# Altium PCB isg_eos_control_board_xem3001.PcbDoc (part 1 of 2) (continued)
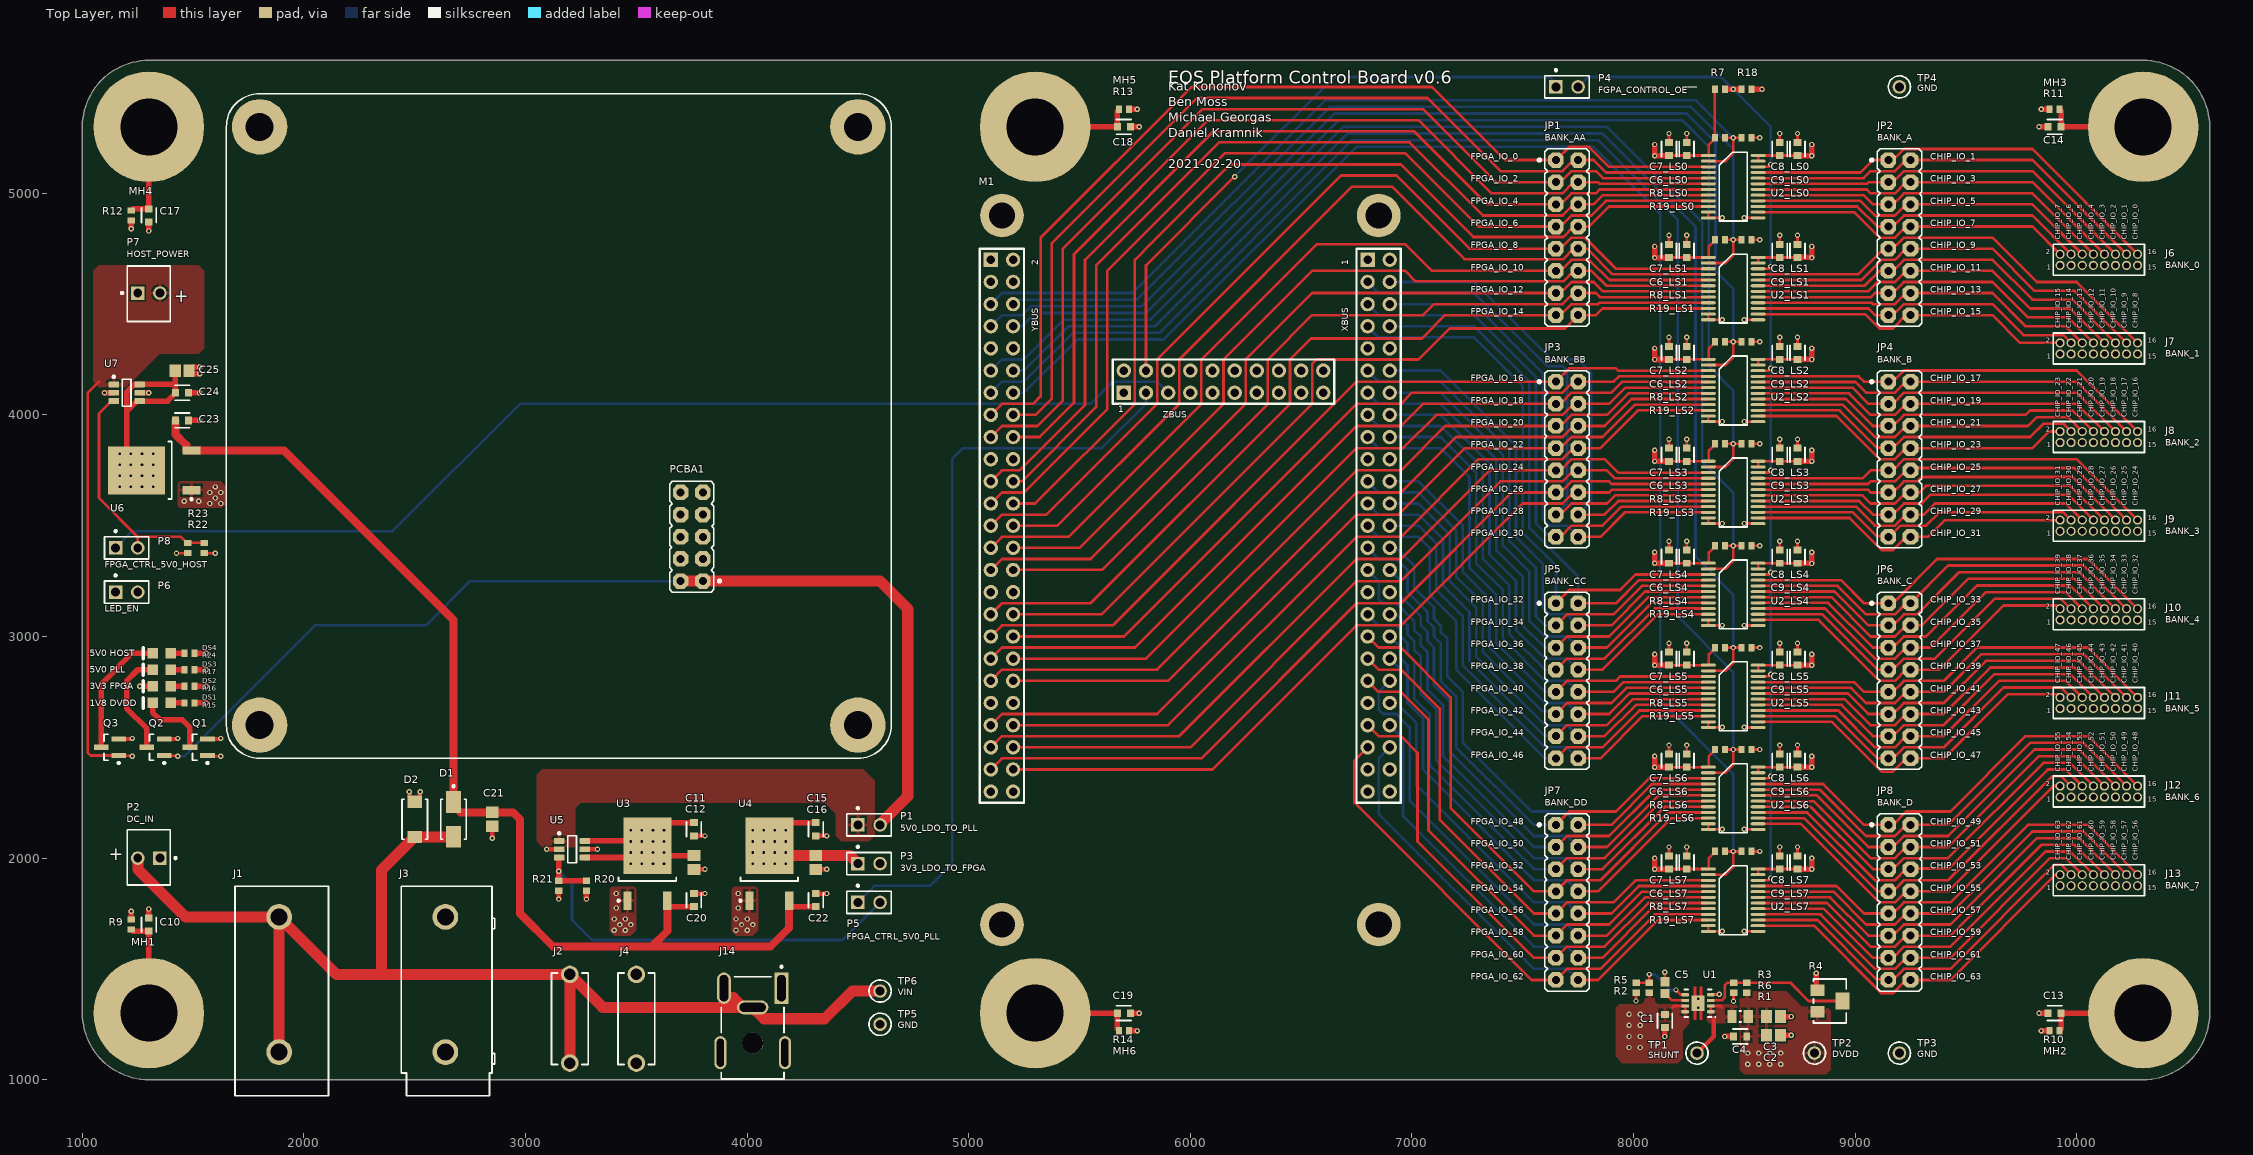
[diagram p0: Top Layer view]
## Components (designator, comment, footprint, x,y, rotation, side; value= is the part's Value field where it differs from the comment) (continued)
P6 "TSW-102-07-S-S" SMTC-TSW-102-07-S-S 1200,3200 r0 top
P7 "22-23-2021" MOLX-22-23-2021_V 1300,4550 r0 top
P8 "TSW-102-07-S-S" SMTC-TSW-102-07-S-S 1200,3400 r0 top
PCBA1 "ISG-PLL-PCBA" ISG-PLL-PCBA 3150,3950 r180 top
Q1 "BSH105,215" NXP-SOT23_M 1525,2500 r180 top
Q2 "BSH105,215" NXP-SOT23_M 1330.31,2500 r180 top
Q3 "BSH105,215" NXP-SOT23_M 1125,2500 r180 top
R1 "RES SMD 1 OHM 1% 0805" RESC2013X50X30NL20T20 8481.5,1285 r0 top
R2 "RES SMD 0 OHM 0603" RESC1609X50X30LL10T20 8071.5,1415 r270 top
R3 "DNP" RESC1609X50X30LL10T20 8511.5,1415 r270 top
R4 "3224W-1-103E" FP-3224W-MFG 8886.5,1355 r0 top value=10kO
R5 "DNP" RESC1609X50X30LL10T20 8011.5,1415 r90 top
R6 "DNP" RESC1609X50X30LL10T20 8451.5,1415 r90 top
R7 "DNP" RESC1609X50X30LL10T20 8390,5470 r0 top
R8_LS0 "RES SMD 330 OHM 0603" RESC1609X50X30LL10T20 8510,5250 r0 top (schematic designator R8)
R8_LS1 "RES SMD 330 OHM 0603" RESC1609X50X30LL10T20 8510,4790 r0 top (schematic designator R8)
R8_LS2 "RES SMD 330 OHM 0603" RESC1609X50X30LL10T20 8510,4330 r0 top (schematic designator R8)
R8_LS3 "RES SMD 330 OHM 0603" RESC1609X50X30LL10T20 8510,3870 r0 top (schematic designator R8)
R8_LS4 "RES SMD 330 OHM 0603" RESC1609X50X30LL10T20 8510,3410 r0 top (schematic designator R8)
R8_LS5 "RES SMD 330 OHM 0603" RESC1609X50X30LL10T20 8510,2950 r0 top (schematic designator R8)
R8_LS6 "RES SMD 330 OHM 0603" RESC1609X50X30LL10T20 8510,2490 r0 top (schematic designator R8)
R8_LS7 "RES SMD 330 OHM 0603" RESC1609X50X30LL10T20 8510,2030 r0 top (schematic designator R8)
R9 "DNP" RESC1609X50X30LL10T20 1220,1700 r90 top
R10 "DNP" RESC1609X50X30LL10T20 9900,1220 r180 top
R11 "DNP" RESC1609X50X30LL10T20 9900,5380 r180 top
R12 "DNP" RESC1609X50X30LL10T20 1220,4900 r270 top
R13 "DNP" RESC1609X50X30LL10T20 5700,5380 r0 top
R14 "DNP" RESC1609X50X30LL10T20 5700,1220 r0 top
R15 "RES SMD 100 OHM 0603" RESC1609X50X30LL10T20 1483.66,2700 r0 top
R16 "RES SMD 100 OHM 0603" RESC1609X50X30LL10T20 1483.66,2775 r0 top
R17 "RES SMD 100 OHM 0603" RESC1609X50X30LL10T20 1483.66,2850 r0 top
R18 "RES SMD 100K OHM 0603" RESC1609X50X30LL10T20 8510,5470 r0 top
R19_LS0 "DNP" RESC1609X50X30LL10T20 8390,5250 r0 top (schematic designator R19)
R19_LS1 "DNP" RESC1609X50X30LL10T20 8390,4790 r0 top (schematic designator R19)
R19_LS2 "DNP" RESC1609X50X30LL10T20 8390,4330 r0 top (schematic designator R19)
R19_LS3 "DNP" RESC1609X50X30LL10T20 8390,3870 r0 top (schematic designator R19)
R19_LS4 "DNP" RESC1609X50X30LL10T20 8390,3410 r0 top (schematic designator R19)
R19_LS5 "DNP" RESC1609X50X30LL10T20 8390,2950 r0 top (schematic designator R19)
R19_LS6 "DNP" RESC1609X50X30LL10T20 8390,2490 r0 top (schematic designator R19)
R19_LS7 "DNP" RESC1609X50X30LL10T20 8390,2030 r0 top (schematic designator R19)
R20 "DNP" RESC1609X50X30LL10T20 3275,1875 r90 top
R21 "RES SMD 330 OHM 0603" RESC1609X50X30LL10T20 3150,1875 r270 top
R22 "DNP" RESC1609X50X30LL10T20 1550,3400 r90 top
R23 "RES SMD 330 OHM 0603" RESC1609X50X30LL10T20 1475,3400 r270 top
R24 "RES SMD 100 OHM 0603" RESC1609X50X30LL10T20 1483.66,2925 r0 top
TP1 "5002" KSTN-5002 8286.5,1120 r90 top
TP2 "5002" KSTN-5002 8816.5,1120 r90 top
TP3 "5001" KSTN-5001 9200,1120 r90 top
TP4 "5001" KSTN-5001 9200,5480 r0 top
TP5 "5001" KSTN-5001 4600,1250 r0 top
TP6 "5002" KSTN-5002 4600,1400 r0 top
U1 "TPS7A8001DRBT" DRB0008A_V 8291.02,1345 r180 top
U2_LS0 "SN74AVC8T245PW" PW0024A_N 8450,5030 r0 top (schematic designator U2)
U2_LS1 "SN74AVC8T245PW" PW0024A_N 8450,4570 r0 top (schematic designator U2)
U2_LS2 "SN74AVC8T245PW" PW0024A_N 8450,4110 r0 top (schematic designator U2)
U2_LS3 "SN74AVC8T245PW" PW0024A_N 8450,3650 r0 top (schematic designator U2)
U2_LS4 "SN74AVC8T245PW" PW0024A_N 8450,3190 r0 top (schematic designator U2)
U2_LS5 "SN74AVC8T245PW" PW0024A_N 8450,2730 r0 top (schematic designator U2)
U2_LS6 "SN74AVC8T245PW" PW0024A_N 8450,2270 r0 top (schematic designator U2)
U2_LS7 "SN74AVC8T245PW" PW0024A_N 8450,1810 r0 top (schematic designator U2)
U3 "LD1117DT50CTR" TO-252_N 3550,1975 r90 top
U4 "LD1117DT33TR" TO-252_N 4100,1975 r90 top
U5 "TPS22929DDBVR" DBV0006A_M 3210,2040 r0 top
U6 "LD1117DT50CTR" TO-252_N 1325,3750 r180 top
U7 "TPS22929DDBVR" DBV0006A_M 1200,4100 r0 top

## Footprints (in the part's own frame and the unit in brackets; to place one, negate y for a bottom-side part, rotate by r counter-clockwise, add the part's x,y. Pads: shape width x height; smd on the part's side, far side on the other; paste and mask are expansions set on the pad)
62201621121 [mm] "Pin Header, pitch 1.27 mm, THT, Vertical, dual row, 16p"
  round 1.05 hole 0.7: 1(-4.445,-0.635) 2(-4.445,0.635) 3(-3.175,-0.635) 4(-3.175,0.635) 5(-1.905,-0.635) 6(-1.905,0.635) 7(-0.635,-0.635) 8(-0.635,0.635) 9(0.635,-0.635) 10(0.635,0.635) 11(1.905,-0.635) 12(1.905,0.635) 13(3.175,-0.635) 14(3.175,0.635) 15(4.445,-0.635) 16(4.445,0.635)
  silkscreen extent -5.23,-1.78 5.23,1.78, body extent -5.08,-1.7 5.08,1.7, height 5.33
AVAG-HSMX-C170_V [mm] "SMD, 2-Leads, Body 2x1.25mm, Height 0.8mm"
  rect 1.2x1.2 smd: 1(-1.05,0) 2(1.05,0)
  silkscreen extent 2.15,-0.63 2.15,0.63, body extent -1,-0.63 1,0.63, height 0.8
CAPC1608X90X40ML10T20 [mm] "Chip Capacitor, 2-Leads, Body 1.7x0.9mm, IPC Low Density"
  rect 1.05x1.05 smd: 1(-0.675,0) 2(0.675,0)
  body extent -0.85,-0.45 0.85,0.45, height 0.9
CAPC2013X140X50NL20T25 [mm] "Chip Capacitor, 2-Leads, Body 2.00x1.25mm, IPC Medium Density"
  rect 1.3x1.45 smd: 1(-0.8,0) 2(0.8,0)
  body extent -1.1,-0.72 1.1,0.72, height 1.4
DBV0006A_M [mm] "SOT23, 6-Leads, Body 3.05x1.75mm, Pitch 0.95mm, IPC Low Density"
  rrect15% 1.2x0.65 smd: 1(-1.475,0.95) 2(-1.475,0) 3(-1.475,-0.95) 4(1.475,-0.95) 5(1.475,0) 6(1.475,0.95)
  silkscreen extent -1.6,-1.55 0.5,1.95, body extent -1.42,-1.46 1.42,1.46, height 1.11
DRB0008A_V [mm] "SON, 8-Leads, Body 3x3mm, Pitch 0.65mm, Thermal Pad 1.50 x 3.8mm"
  rrect29% 0.85x0.35 smd: 1(-1.475,0.975) 2(-1.475,0.325) 3(-1.475,-0.325) 4(-1.475,-0.975) 5(1.475,-0.975) 6(1.475,-0.325) 7(1.475,0.325) 8(1.475,0.975)
  rrect7% 1.5x1.75 smd: 9(0,0)
  Top Layer region: -0.185,0.875 -0.185,1.9 -0.465,1.9 -0.465,0.875
  Top Layer region: 0.185,-0.875 0.185,-1.9 0.465,-1.9 0.465,-0.875
  Top Layer region: -0.185,-0.875 -0.185,-1.9 -0.465,-1.9 -0.465,-0.875
  Top Layer region: 0.185,0.875 0.185,1.9 0.465,1.9 0.465,0.875
  silkscreen extent -2.02,-1.58 1.57,1.62, body extent -1.5,-1.5 1.5,1.5, height 1
FP-24_243_1-MFG [mm]
  round 2.95 hole 1.95 paste-1000 mask+0: 1(-8.5,-0.3) 1(7,-0.3)
  silkscreen extent -12,-5.35 12,5.35, body extent -12.1,-5.45 12.1,5.45, height 0.25
FP-24_243_2-MFG [mm]
  round 2.95 hole 1.95 paste-1000 mask+0: 1(-7,0.3) 1(8.5,0.3)
  silkscreen extent -12,-5.35 12,5.35, body extent -12.1,-5.45 12.1,5.45, height 0.25
FP-105-0751-001-MFG [mil]
  round 79.56 hole 52 paste-39370.1 mask+0: 1(-200,0) 1(200,0)
  silkscreen extent -206,-83 206,83, body extent -244,-87 244,87, height 10
FP-3224W-MFG [mm]
  rect 1.6x1.3 smd paste+0 mask+0: 1(-1.45,1.25) 3(-1.45,-1.25)
  rect 1.6x2 smd paste+0 mask+0: 2(1.45,0)
  silkscreen extent -1.88,-2.52 1.88,2.52, body extent -2.35,-2.63 2.35,2.63, height 0.25
FP-CC0603-DA-MFG [mm]
  rect 0.8x0.9 smd paste+0 mask+0: 1(-0.75,0) 2(0.75,0)
  silkscreen extent -0.85,-0.85 0.85,0.85, body extent -1.35,-0.75 1.35,0.75, height 0.25
FP-PJ-047A-MFG [mm]
  rect 1.6x3.6 hole 3 slot 1 at 0 deg paste-1000 mask+0: 1(-3.3,-4.55)
  rrect100% 3.6x1.6 hole 1 slot 3 at 0 deg paste-1000 mask+0: 2(0,-2.35)
  rrect100% 1.6x3.6 hole 3 slot 1 at 0 deg paste-1000 mask+0: 3(3.3,-4.55)
  rrect100% 1.4x3.8 hole 3.2 slot 0.8 at 0 deg paste-1000 mask+0: 4(3.7,2.85) 5(-3.7,2.85)
  round 2.4 hole 2.4 unplated paste-1000 mask+0: ""(0,1.75)
  silkscreen extent -3.6,-7.12 3.6,5.85, body extent -4.5,-6.45 4.5,5.95, height 0.25
FP-SMA-CA-MFG [mm]
  rect 1.4x1.64 smd paste+0 mask+0: 1(-2.015,0) 2(2.015,0)
  silkscreen extent -2.3,-1.45 2.3,1.45, body extent -2.82,-1.55 2.82,1.55, height 0.25
FP-SMA-MFG [mm]
  rect 2.5x1.7 smd paste+0 mask+0: 1(-2,0) 2(2,0)
  silkscreen extent -3.92,-1.46 2.3,1.46, body extent -3.35,-1.56 3.35,1.56, height 0.25
ISG-PLL-PCBA [mil]
  oct 70x70 hole 36: 1(-650,700) 2(-550,700) 3(-650,600) 4(-550,600) 5(-650,500) 6(-550,500) 7(-650,400) 8(-550,400) 9(-650,300) 10(-550,300)
  round 250 hole 125.98: MH1(-1350,-1350) MH2(1350,-1350) MH3(1350,1350) MH4(-1350,1350)
  silkscreen extent -1500,-1500 1500,1500
KSTN-5001 [mm] "Test Point, Through Hole, Dia 2.54mm"
  round 1.55 hole 1.016: 1(0,0)
  silkscreen extent -1.27,-1.27 1.27,1.27, body extent -1.25,-1.25 1.25,1.25, height 4.62
KSTN-5002 [mm] "Test Point, Through Hole, Dia 2.54mm"
  round 1.55 hole 1.016: 1(0,0)
  silkscreen extent -1.27,-1.27 1.27,1.27, body extent -1.25,-1.25 1.25,1.25, height 4.62
MH-1/4-20#1 [mil]
  round 500 hole 257: PAD(40,-220)
MH-1/4-20#2 [mil]
  round 500 hole 257: PAD(900,-60)
MH-1/4-20#3 [mil]
  round 500 hole 257: PAD(800,100)
MH-1/4-20#4 [mil]
  round 500 hole 257: PAD(200,500)
MH-1/4-20#5 [mil]
  round 500 hole 257: PAD(-600,-400)
MH-1/4-20#6 [mil]
  round 500 hole 257: PAD(-450,0)
MOLX-22-23-2021_V [mm] "THD, 2-Leads, Body 6.35x4.93mm, Pitch 2.54mm"
  rect 1.55x1.55 hole 1.02: 1(-1.27,0)
  round 1.55 hole 1.02: 2(1.27,0)
  silkscreen extent -3.19,-3.25 2.46,3.1, body extent -2.46,-3.25 2.46,3.1, height 10.66
NXP-SOT23_M [mm] "SOT23, 3-Leads, Body 3x1.4mm, Pitch 0.95mm, IPC Low Density"
  rect 1.7x0.6 smd: 1(-1,0.95) 2(-1,-0.95) 3(1,0)
  silkscreen extent -1.13,-1.5 0.7,1.92, body extent -0.7,-1.5 0.7,1.5, height 1.1
PIN_HEADER_2X8_2.54MM [mil]
  oct 70x70 hole 36: 1(-50,350) 2(50,350) 3(-50,250) 4(50,250) 5(-50,150) 6(50,150) 7(-50,50) 8(50,50) 9(-50,-50) 10(50,-50) 11(-50,-150) 12(50,-150) 13(-50,-250) 14(50,-250) 15(-50,-350) 16(50,-350)
  silkscreen extent -131,-400 100,400
PW0024A_N [mm]
  oval 1.7x0.35 smd: 1(-2.85,3.575) 2(-2.85,2.925) 3(-2.85,2.275) 4(-2.85,1.625) 5(-2.85,0.975) 6(-2.85,0.325) 7(-2.85,-0.325) 8(-2.85,-0.975) 9(-2.85,-1.625) 10(-2.85,-2.275) 11(-2.85,-2.925) 12(-2.85,-3.575) 13(2.85,-3.575) 14(2.85,-2.925) 15(2.85,-2.275) 16(2.85,-1.625) 17(2.85,-0.975) 18(2.85,-0.325) 19(2.85,0.325) 20(2.85,0.975) 21(2.85,1.625) 22(2.85,2.275) 23(2.85,2.925) 24(2.85,3.575)
  silkscreen extent -1.6,-3.95 1.6,3.95, body extent -3.21,-3.9 3.21,3.9, height 0.98
RESC1609X50X30LL10T20 [mm] "Chip Resistor, 2-Leads, Body 1.55x0.85mm, IPC High Density"
  rect 0.7x0.85 smd: 1(-0.575,0) 2(0.575,0)
  body extent -0.82,-0.48 0.82,0.48, height 0.5
RESC2013X50X30NL20T20 [mm] "Chip Resistor, 2-Leads, Body 2.00x1.25mm, IPC Medium Density"
  rect 1.05x1.45 smd: 1(-0.925,0) 2(0.925,0)
  silkscreen extent -0.1,-0.63 0.1,0.63, body extent -1.1,-0.72 1.1,0.72, height 0.5
SMTC-TSW-102-07-S-S [mm] "Header, 2-Leads, Body 5.08x2.54mm, Pitch 2.54mm"
  rect 1.55x1.55 hole 1.02: 1(-1.27,0)
  round 1.55 hole 1.02: 2(1.27,0)
  silkscreen extent -2.54,-1.27 2.54,2.04, body extent -2.54,-1.27 2.67,1.27, height 8.38
TO-252_N [mm] "D-PAK, 4-Leads, Body 6.1x6.5mm, Pitch 2.28mm, Lead Span 9.7mm, IPC Medium Density"
  rect 2.1x0.95 smd: 1(-4.25,2.28) 3(-4.25,-2.28)
  rect 6.5x5.5 smd: 4(2.05,0)
  silkscreen extent -4.37,-3.3 -1.6,3.43, body extent -2,-3.3 4.2,3.3, height 2.4
XEM3001MODULE [mil]
  round 196.85 hole 118.11: 0(150,1850) 0(150,150) 0(3350,150) 0(3350,1850)
  rect 65x65 hole 38: X1(3150,200) Y1(3150,1900) Z1(2550,1300)
  round 65 hole 38: X2(3150,100) X3(3050,200) X4(3050,100) X5(2950,200) X6(2950,100) X7(2850,200) X8(2850,100) X9(2750,200) X10(2750,100) X11(2650,200) X12(2650,100) X13(2550,200) X14(2550,100) X15(2450,200) X16(2450,100) X17(2350,200) X18(2350,100) X19(2250,200) X20(2250,100) X21(2150,200) X22(2150,100) X23(2050,200) X24(2050,100) X25(1950,200) X26(1950,100) X27(1850,200) X28(1850,100) X29(1750,200) X30(1750,100) X31(1650,200) X32(1650,100) X33(1550,200) X34(1550,100) X35(1450,200) X36(1450,100) X37(1350,200) X38(1350,100) X39(1250,200) X40(1250,100) X41(1150,200) X42(1150,100) X43(1050,200) X44(1050,100) X45(950,200) X46(950,100) X47(850,200) X48(850,100) X49(750,200) X50(750,100) Y2(3150,1800) Y3(3050,1900) Y4(3050,1800) Y5(2950,1900) Y6(2950,1800) Y7(2850,1900) Y8(2850,1800) Y9(2750,1900) Y10(2750,1800) Y11(2650,1900) Y12(2650,1800) Y13(2550,1900) Y14(2550,1800) Y15(2450,1900) Y16(2450,1800) Y17(2350,1900) Y18(2350,1800) Y19(2250,1900) Y20(2250,1800) Y21(2150,1900) Y22(2150,1800) Y23(2050,1900) Y24(2050,1800) Y25(1950,1900) Y26(1950,1800) Y27(1850,1900) Y28(1850,1800) Y29(1750,1900) Y30(1750,1800) Y31(1650,1900) Y32(1650,1800) Y33(1550,1900) Y34(1550,1800) Y35(1450,1900) Y36(1450,1800) Y37(1350,1900) Y38(1350,1800) Y39(1250,1900) Y40(1250,1800) Y41(1150,1900) Y42(1150,1800) Y43(1050,1900) Y44(1050,1800) Y45(950,1900) Y46(950,1800) Y47(850,1900) Y48(850,1800) Y49(750,1900) Y50(750,1800) Z2(2650,1300) Z3(2550,1200) Z4(2650,1200) Z5(2550,1100) Z6(2650,1100) Z7(2550,1000) Z8(2650,1000) Z9(2550,900) Z10(2650,900) Z11(2550,800) Z12(2650,800) Z13(2550,700) Z14(2650,700) Z15(2550,600) Z16(2650,600) Z17(2550,500) Z18(2650,500) Z19(2550,400) Z20(2650,400)
  silkscreen extent 700,50 3200,1950

## Part data
C1 C4 C6_LS0 C6_LS1 C6_LS2 C6_LS3 C6_LS4 C6_LS5 C6_LS6 C6_LS7 C7_LS0 C7_LS1 C7_LS2 C7_LS3 C7_LS4 C7_LS5 C7_LS6 C7_LS7 C8_LS0 C8_LS1 C8_LS2 C8_LS3 C8_LS4 C8_LS5 C8_LS6 C8_LS7 C9_LS0 C9_LS1 C9_LS2 C9_LS3 C9_LS4 C9_LS5 C9_LS6 C9_LS7 C10 C11 C13 C14 C15 C17 C18 C19 C20 C22 C23 C24: library part CMP-03422-000030-1, Capacitance="100 nF", Manufacturer=YAGEO, Manufacturer Part Number=CC0603KRX7R7BB104, Package=CC0603-DA, Temperature="-55°C to +125°C", Temperature Characteristic=X7R, Temperature Coefficient=15%, Temperature Range High=+125°C, Temperature Range Low=-55°C, Tolerance=0.1, Voltage="16 V", Automotive=No, Category=Cap, ComponentLink2Description=Datasheet, ComponentLink2URL=http://www.yageo.com/documents/recent/UPY-GPHC_X7R_6.3V-to-50V_18.pdf, Device Class L1="Passive Components", Device Class L2=Capacitors, Device Class L3="Ceramic Capacitors", Digikey Description="CAP CER 0.1UF 16V X7R 0603", Footprint Url=http://www.yageo.com/exep/pages/download/literatures/UPY-C_GEN_24.pdf, Height=0.9mm, Lead Free=Yes, Material=Ceramic, Mouser Description="Multilayer Ceramic Capacitor, CC Series, 0.1 - F, - 10%, X7R, 16 V, 0603 [1608 Metric]", Octopart=https://octopart.com/cc0603krx7r7bb104-yageo-192941, RoHS=TRUE, Voltage Rating="16 V"
C2 C3 C12 C16 C21 C25: library part CMP-2007-04677-1, Manufacturer="AVX Interconnect / Elco", Part Number=0805ZC475KAT2A
C5: library part CMP-2100-03600-1, Capacitance=10nF, Case/Package=0603, Case Code (Metric)=1608, Dielectric=X7R, Insulation Resistance=100GR, Manufacturer=Yageo, Max Operating Temperature=125degC, Min Operating Temperature=-55degC, Package Description="2-Pin Surface Mount Device, Body 1.6 x 0.8 mm", Package Quantity=1, Tolerance=10%, Voltage=50V, Case Code (Imperial)=0603, Composition=Ceramic, Datasheet URL=http://www.yageo.com/documents/recent/UPY-GPHC_X7R_6.3V-to-50V_15.pdf, Datasheet Version="Rev. 15, 10/2016", Depth=0.8mm, Height=0.8mm, Lead Free=LeadFree, Length=1.6mm, Manufacturer URL=http://www.yageo.com/, Material=Ceramic, Mount=SurfaceMount, Number of Pins=2, Package Reference=0603, Packaging=TapeandReel, Radiation Hardening=No, REACH SVHC=NoSVHC, RoHSCompliant=True, Termination=SMD/SMT, Thickness=0.035inch, Voltage Rating=50V, Voltage Rating (DC)=50V, Width=0.031inch
D1: library part CMP-2000-05896-2, "DIODE SCHOTTKY 30V 3A SMA", Capacitance=200pF, Dc Blocking Voltage=30V, Forward Current=3A, Manufacturer=Diodes, Max Junction Temp=+150°C, Max Surge Forward Current=80A, Package=SMA, Peak Reverse Current=0.5mA, Temperature="-55°C to +150°C", Temperature Range Low=-55°C, Automotive=Yes, Automotive Grade="Grade 0", Category=Diode, ComponentLink2Description=Datasheet, ComponentLink2URL=https://www.diodes.com/assets/Datasheets/ds30891.pdf, Device Class L1="Discrete Semiconductors", Device Class L2=Diodes, Device Class L3="Schottky Diodes", Digikey Description="DIODE SCHOTTKY 30V 3A SMA", Footprint Url=https://www.diodes.com/assets/Package-Files/SMA.pdf, Height=2.4mm, Lead Free=Yes, Manufacturer Part Number=B330A-13-F, Max Repetitive Reverse Voltage=30V, Mouser Description="Schottky Diodes & Rectifiers 30V 3A", Octopart=https://octopart.com/b330a-13-f-diodes+inc.-325808, Reverse Voltage=30V, RoHS=TRUE, Standoff Height=0.05mm, Temperature Range High=+150°C, Working Reverse Voltage=30V
D2: library part CMP-12225-000045-1, "TVS DIODE 12V 25.3V SMA", Breakdown Voltage=13.3V, Clamping Voltage=19.9V, Manufacturer=STMicroelectronics, Max Junction Temp=+150°C, Package=SMA-CA, Peak Pulse Current=20.1A, Peak Pulse Power=400W, Reverse Standoff Voltage=12V, Temperature="-55°C to +150°C", Temperature Range Low=-55°C, Automotive=No, Category=Diode, ComponentLink2Description=Datasheet, ComponentLink2URL=https://www.st.com/resource/en/datasheet/smaj.pdf, Device Class L1="Circuit Protection", Device Class L2="TVS Diodes", Device Class L3=unset, Digikey Description="TVS DIODE 12V 25.3V SMA", Direction=Bidirectional, Height=2.65mm, Lead Free=Yes, Manufacturer Part Number=SMAJ12CA-TR, Mouser Description="TVS Diodes - Transient Voltage Suppressors 400W 12V Bidirect", Number Of Channels=1, Octopart=https://octopart.com/smaj12ca-tr-stmicroelectronics-347060, RoHS=TRUE, Standoff Height=0.05mm, Temperature Range High=+150°C
DS1 DS2 DS3 DS4: library part CMP-2000-05062-1, "Chip LED, Green, 2.2 V, -40 to 85 degC, 2-Pin SMD, Pb-Free, Tape and Reel", Forward Current If=20mA, Forward Voltage=2.2V, Forward Voltage VF Max=2.6V, LED Colour=Green, Manufacturer=Avago, Operating Temperature Max=85degC, Operating Temperature Min=-30degC, Operating Temperature Range=-30degCto+85degC, Opto Case Style=SMD, Package Description="2-Pin Surface Mount Device, Body 2 x 1.25 mm, Height 0.8 mm", Package Reference=HSMX-C170, Storage Temperature Min=-40degC, Bulb Size=1.25mmx1.4mm, Datasheet URL=https://datasheet.ciiva.com/29280/180495-da-01-en-chip-led-hsmg-c170-gelb-gruen-29280971.pdf, Datasheet Version=Oct-08, Dominant Wavelength=572nm, Dominant Wavelength Typ=572nm, External Depth=0.8mm, External Length / Height=2mm, External Width=1.25mm, Forward Current If Max=20mA, LED Mounting=SMD, LED Type=Standard, Lens Shape=Rectangular, Light Area Height=1mm, Luminous Intensity=15mcd, Luminous Intensity Min=4mcd, Luminous Intensity Typ=15mcd, Manufacturer URL=http://www.avagotech.com/, Mounting Type=SMD, MSL=MSL2A-4weeks, No. of Pins=2, Opto Mounting Orientation=Top, Packaging=CutTape, Peak Forward Current=20mA, Peak Wavelength=570nm, PIV Max=5V, Storage Temperature Max=85degC, SVHC=NoSVHC(16-Jun-2014), Viewing Angle=170deg, Voltage Vf Typ=2.2V, Wavelength Typ=570nm
J1: library part CMP-12400-000001-1, "RECEPTACLE, 20A, 4MM, PCB, SOLDER, RED", Current Rating=24A, Manufacturer=Multicomp, Voltage Rating=60V, Automotive=No, Category=Conn, ComponentLink2Description=Datasheet, ComponentLink2URL=https://datasheet.octopart.com/24.243.1-Multicomp-datasheet-38887736.pdf, Conn Orientation=Horizontal, Contact Material=Silver, Device Class L1=Connectors, Device Class L2=unset, Device Class L3=unset, Height=13mm, Is Female=yes, Lead Free=Yes, Manufacturer Part Number=24.243.1, Number Of Contacts=1, Octopart=https://octopart.com/24.243.1-multicomp-57101049, Package=24.243.1, RoHS=TRUE
J2 J4: library part CMP-09586-000001-1, "CONN TIP JACK SOLDER WHITE", Current Rating=5A, Manufacturer="Cinch Connectivity", Manufacturer Part Number=105-0751-001, Temperature="-55°C to +75°C", Temperature Range High=+75°C, Temperature Range Low=-55°C, Voltage Rating=1500V, Automotive=No, Category=Conn, ComponentLink2Description=Datasheet, ComponentLink2URL=https://belfuse.com/resources/Johnson/drawings/dr-1050751001.pdf, Conn Orientation=Horizontal, Contact Material=Silver, Device Class L1=Connectors, Device Class L2=unset, Device Class L3=unset, Digikey Description="CONN TIP JACK SOLDER WHITE", Height=0.213inch, Is Female=yes, Lead Free=Yes, Number Of Contacts=1, Octopart=https://octopart.com/105-0751-001-cinch+connectivity+solutions-51372833, Package=105-0751-001, Pitch=10.16mm, RoHS=TRUE
J3: library part CMP-12400-000002-1, "RECEPTACLE, 20A, 4MM, PCB, SOLDER, BLACK", Current Rating=24A, Manufacturer=Multicomp, Voltage Rating=60V, Automotive=No, Category=Conn, ComponentLink2Description=Datasheet, ComponentLink2URL=https://datasheet.octopart.com/24.243.2-Multicomp-datasheet-38887736.pdf, Conn Orientation=Horizontal, Contact Material=Silver, Device Class L1=Connectors, Device Class L2=unset, Device Class L3=unset, Height=13mm, Is Female=yes, Lead Free=Yes, Manufacturer Part Number=24.243.2, Number Of Contacts=1, Octopart=https://octopart.com/24.243.2-multicomp-57101050, Package=24.243.2, RoHS=TRUE
J6 J7 J8 J9 J10 J11 J12 J13: library part CMP-1502-00950-1, "THT Vertical Pin Header WR-PHD, Pitch 1.27 mm, Dual Row, 16 pins", Contact Resistance=20mOhm, Manufacturer="Wurth Elektronik", Operating Temperature=-40to105degC, Rated Current=1A, Withstanding Voltage=500VAC, Working Voltage=100VAC, Datasheet URL=https://katalog.we-online.de/em/datasheet/62201621121.pdf, Gender=Male, Manufacturer URL=http://www.we-online.de, Mounting Technology=THT, Orientation=Vertical, Package Reference=62201621121, Packaging=Box, Part Number=62201621121, Pin Number=16, Pitch=1.27mm, Publisher=WurthElektronik, Row Number=Dual